# Altium PCB PROC054D_MMWCAS_RF_EVM_ASCII.PcbDoc (part 4 of 13)
Units mil, origin at the board's own origin, x right, y up, seen from the top; angles counter-clockwise.
Board outline 6299.21 x 5370.07 mil, 8 copper layers (L1 TOP, L2 GND, L3 SIGNAL 1, L4 GND, L5 SIGNAL 2, L6 SIGNAL 3, L7 GND, L8 BOTTOM), stack 53.5 mil thick; 775 components, 552 nets, 2648 pads, 7845 vias.
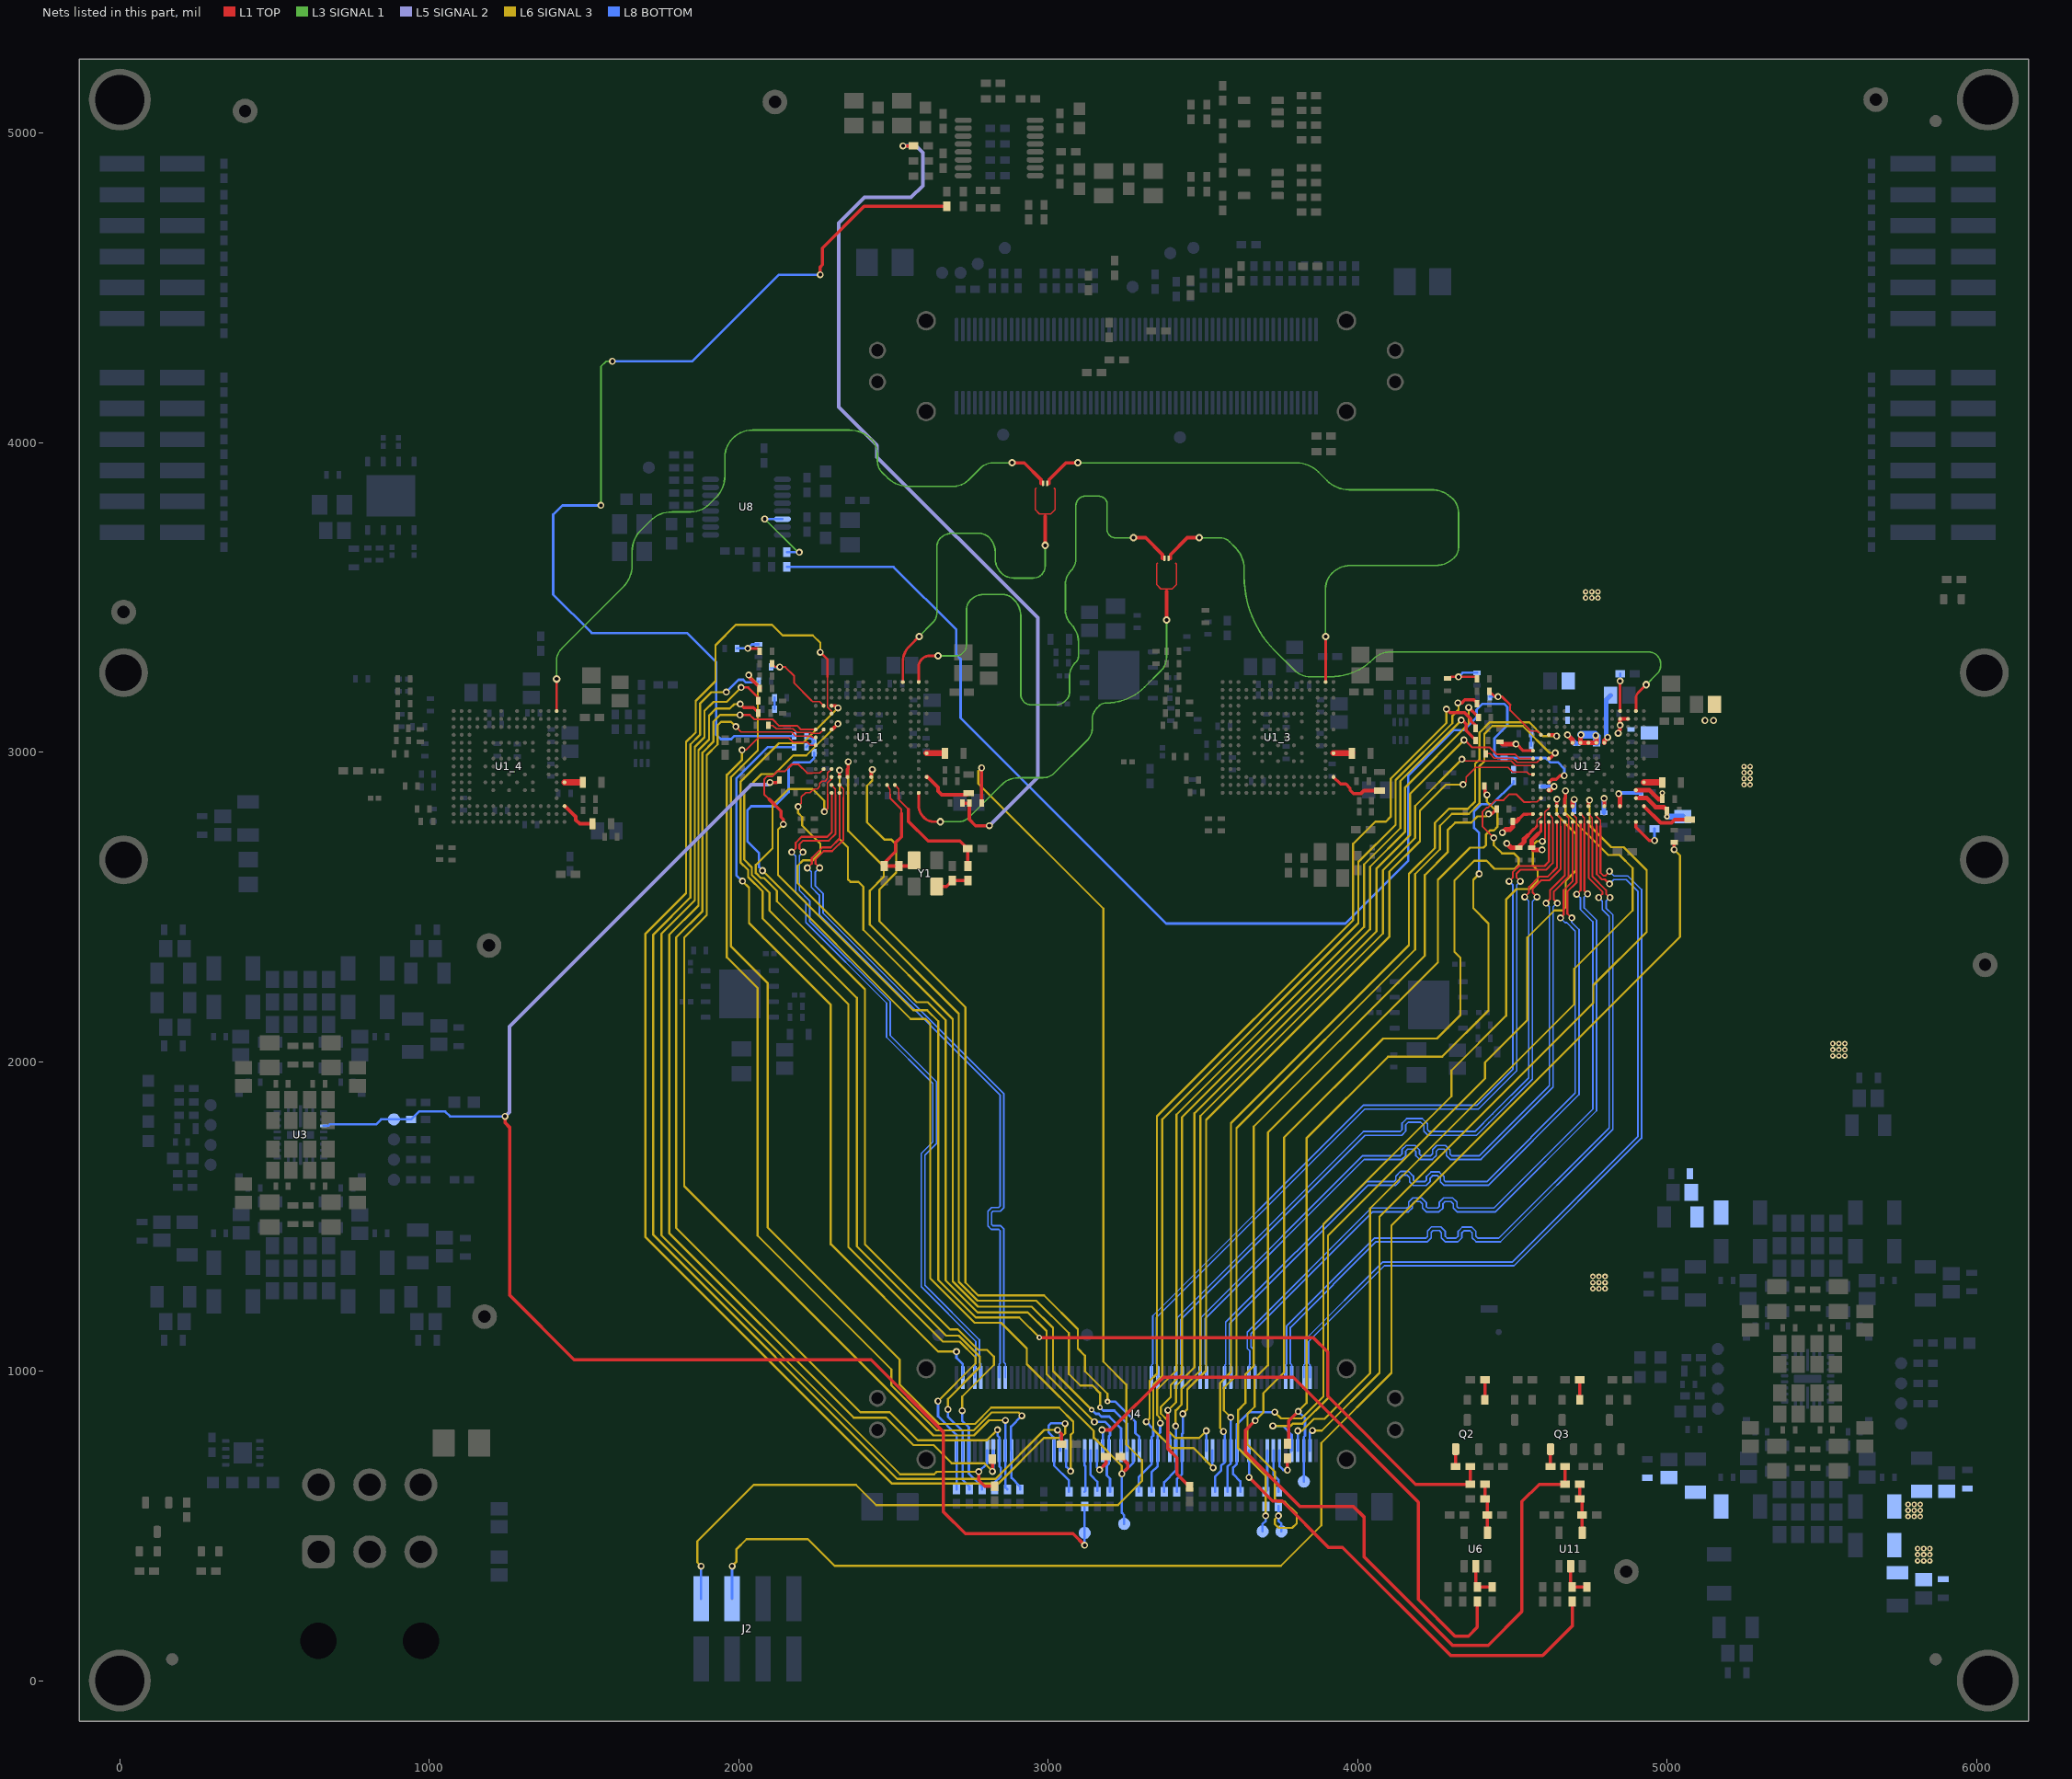
[diagram p10: the nets of this part, all layers, seen from the top]

## Via types
v1: diameter 15.74, hole 5.9, L1 TOP to L2 GND, tented both sides, 5522 vias
v2: diameter 22.4, hole 12.2, L1 TOP to L8 BOTTOM, tented both sides, 1522 vias
v3: diameter 18, hole 8, L1 TOP to L8 BOTTOM, tented both sides, 727 vias
v4: diameter 18, hole 7.87, L1 TOP to L8 BOTTOM, tented top, 50 vias
v5: diameter 24, hole 12, L1 TOP to L8 BOTTOM, tented both sides, 13 vias
v6: diameter 19.68, hole 7.87, L1 TOP to L8 BOTTOM, tented top, 10 vias
v7: diameter 15.74, hole 5.9, L1 TOP to L2 GND, tented top, 1 vias

## Nets (pads, with @x,y where several pads share a name; then routed paths per layer and width w, separated by ;. In a path a pad name is that pad's centre, name@x,y a point inside that pad or via, vN(x,y) a via of type N, cw(c..) or ccw(c..) an arc to the next point about the centre after c; other vN are vias at no path point) (continued)
AWR_1_FMCW_CLKOUT: R136.1 R136.2 U1_1.B1 U1_1.B15 U1_2.B1 | length 5817.5
  L1 TOP w5.08: 3353.17,3610.43 3350.56,3607.82 3350.56,3541.35 3364.37,3527.54 3382.46,3527.54 3382.46,3519.25 ; 3382.48,3527.56 3400.57,3527.56 3414.38,3541.37 3414.38,3607.84 3411.77,3610.45
  L1 TOP w8.4: U1_1.B15@2581.44,2868.36 2581.43,2828.39 ccw(c2635.68,2828.39) 2597.32,2790.03 2600.15,2787.2 ccw(c2629.12,2816.17) 2629.12,2775.2 v5(2651.3,2775.2) ; U1_1.B1@2581.44,3226.63 2581.43,3275.9 cw(c2616.53,3275.9) 2616.53,3311 v5(2644,3311) ; U1_2.B1@4899.44,3132.63 4899.43,3174.07 cw(c4924.44,3174.06) 4906.76,3191.75 v5(4933,3218)
  L1 TOP w11.26: v5(3276.3,3692.56) 3315.28,3692.56 3369.47,3638.37 3369.47,3626.25 ; v5(3382.46,3426.29) 3382.46,3519.25 ; 3395.45,3626.25 3395.45,3638.37 3449.62,3692.54 v5(3488.62,3692.54)
  L3 SIGNAL 1 w5: v5(2644,3311) 2704.19,3311 ccw(c2704.19,3337) 2722.57,3318.62 2725.29,3321.34 ccw(c2698.54,3348.09) 2736.38,3348.09 2736.38,3461.86 ; v5(2651.3,2775.2) 2710.97,2775.2 ccw(c2710.96,2821.62) 2743.79,2788.8 2849.7,2894.71 cw(c2903.65,2840.76) 2903.65,2917.06 2984.15,2917.06 ccw(c2984.15,2965.89) 3018.68,2931.36 3127.37,3040.05 ccw(c3090.91,3076.51) 3142.47,3076.51 3142.47,3105.45 cw(c3194.85,3105.45) 3157.8,3142.48 3164.16,3148.83 cw(c3188.71,3124.28) 3188.71,3159 ccw(c3188.71,3332.22) 3311.19,3209.74 3363.93,3262.47 ccw(c3319.18,3307.21) 3382.46,3307.21 v5(3382.46,3426.29) ; 2736.38,3462.57 cw(c2775.58,3461.86) 2747.86,3489.58 2750.81,3492.53 cw(c2791.26,3452.08) 2791.26,3509.28 2852.74,3509.28 cw(c2852.74,3462.35) 2885.93,3495.54 2890.2,3491.26 cw(c2839.11,3440.18) 2911.36,3440.18 2911.36,3187.1 ccw(c2946.31,3187.1) 2921.6,3162.39 ccw(c2944.46,3185.25) 2944.46,3152.92 3025.78,3152.92 ccw(c3025.78,3192.93) 3054.07,3164.64 3060.5,3171.07 ccw(c3039.54,3192.03) 3069.18,3192.03 3069.18,3245.78 cw(c3128.25,3245.78) 3086.48,3287.55 3090.49,3291.56 ccw(c3072.66,3309.38) 3097.88,3309.38 3097.88,3355.08 ccw(c3014.55,3355.08) 3073.47,3414 cw(c3116.89,3457.42) 3055.49,3457.42 3055.49,3542.68 cw(c3114.99,3542.68) 3072.91,3584.76 ccw(c3032.71,3624.96) 3089.57,3624.96 3089.57,3795.47 cw(c3122.17,3795.47) 3099.11,3818.53 cw(c3119.67,3797.97) 3119.67,3827.04 3162.01,3827.04 cw(c3162.01,3796.65) 3183.5,3818.14 cw(c3166.34,3800.98) 3190.61,3800.98 3190.61,3716.26 ccw(c3210.46,3716.26) 3196.42,3702.23 3198.89,3699.75 ccw(c3216.26,3717.12) 3216.26,3692.56 v5(3276.3,3692.56) ; v5(3488.62,3692.54) 3554.81,3692.54 cw(c3554.81,3648.07) 3586.25,3679.53 ; 3586.25,3679.52 3605.04,3660.73 cw(c3536.37,3592.07) 3633.48,3592.07 3633.48,3567.36 ccw(c3973.24,3567.36) 3732.99,3327.12 3794.92,3265.19 ; 3794.93,3265.18 ccw(c3847.65,3317.92) 3847.65,3243.35 3911.53,3243.35 ccw(c3911.53,3440.85) 4051.19,3301.19 cw(c4105.11,3247.27) 4105.11,3323.53 4940.44,3323.53 cw(c4940.44,3284.01) 4968.38,3311.96 cw(c4942.16,3285.74) 4979.24,3285.74 4979.24,3279.71 cw(c4941.91,3279.71) 4968.31,3253.31 v5(4933,3218)
AWR_1_FMCW_SYNCOUT: R140.1 R140.2 U1_1.D1 U1_3.B1 U1_4.B1 | length 6029
  L1 TOP w5.08: 2960.81,3852.44 2958.2,3849.83 2958.2,3783.36 2972.01,3769.55 2990.1,3769.55 ; 2990.1,3761.26 2990.1,3769.55 ; 3019.41,3852.46 3022.02,3849.85 3022.02,3783.38 3008.21,3769.57 2990.12,3769.57
  L1 TOP w8.4: U1_4.B1@1411.44,3132.63 v5(1411.43,3236) ; U1_1.D1@2530.26,3226.63 2530.25,3291 cw(c2603.3,3290.99) 2551.65,3342.65 v5(2583,3374.01) ; U1_3.B1@3896.44,3226.63 v5(3896.43,3374)
  L1 TOP w11.26: v5(2883.94,3934.57) 2922.92,3934.57 2977.11,3880.38 2977.11,3868.26 ; v5(2990.1,3668.3) 2990.1,3761.26 ; 3003.09,3868.26 3003.09,3880.38 3057.26,3934.55 v5(3096.26,3934.55)
  L3 SIGNAL 1 w5: v5(1411.43,3236) 1411.43,3296.01 cw(c1465.58,3296.01) 1427.29,3334.3 1550.53,3457.53 1626.31,3533.31 ccw(c1555.6,3604.02) 1655.6,3604.02 1655.6,3648.17 cw(c1753.2,3648.17) 1684.18,3717.19 1714.06,3747.06 cw(c1784.51,3676.62) 1784.51,3776.24 1845.64,3776.24 ccw(c1845.64,3858.84) 1904.04,3800.44 1925.98,3822.38 ccw(c1855.27,3893.09) 1955.27,3893.09 1955.27,3953.24 cw(c2040.87,3953.24) 1980.34,4013.77 cw(c2044.92,3949.19) 2044.92,4040.51 2357.58,4040.51 cw(c2357.58,3940.51) 2428.29,4011.22 cw(c2381.08,3964.02) 2447.84,3964.02 2447.84,3941.83 ccw(c2502.6,3941.83) 2463.83,3903.17 ccw(c2502.6,3941.83) 2463.88,3903.11 2481.11,3885.88 ccw(c2546,3950.75) 2546,3859 2694.74,3859 ccw(c2694.74,3924.81) 2741.28,3878.28 2780,3917 cw(c2822.42,3874.58) 2822.42,3934.57 v5(2883.94,3934.57) ; v5(2583,3374.01) 2625.86,3416.89 ccw(c2590.18,3452.57) 2640.63,3452.57 2640.63,3665.31 cw(c2677.41,3665.31) 2651.4,3691.32 cw(c2688.3,3654.42) 2688.3,3706.6 2777.61,3706.6 cw(c2777.61,3662.2) 2809,3693.6 cw(c2760.7,3645.31) 2829,3645.31 2829,3624.87 ccw(c2893.87,3624.87) 2848,3579 ccw(c2889.04,3620.04) 2889.04,3562 2951.13,3562 ccw(c2951.13,3600.97) 2990.1,3600.97 v5(2990.1,3668.3) ; v5(3096.26,3934.55) 3802.12,3934.55 cw(c3802.12,3834.55) 3872.83,3905.26 3901.12,3876.97 ccw(c3971.83,3947.68) 3971.83,3847.68 4236.99,3847.68 cw(c4236.99,3747.68) 4307.7,3818.39 cw(c4262.21,3772.91) 4326.54,3772.91 4326.54,3661.8 cw(c4279.32,3661.8) 4312.71,3628.42 cw(c4251.34,3689.78) 4251.34,3603 3977.36,3603 ccw(c3977.36,3517.63) 3917,3578 ccw(c3966.66,3528.34) 3896.43,3528.34 v5(3896.43,3374)
AWR_1_GPIO_0: J4.61 R16_1.2 U1_1.N4 | length 3146
  L1 TOP w10.5: U1_1.N4@2299.94,3149.86 2313.82,3149.86 v2(2320.99,3142.69)
  L6 SIGNAL 3 w6.9: v2(2320.99,3142.69) 2206.68,3028.38 2129.84,3028.38 2005.54,2904.08 2005.54,2643.9 2030.3,2619.15 2030.3,2596.61 2077.11,2549.8 2077.11,2462.65 2354.47,2185.3 2354.47,1400.45 2659.46,1095.46 2713.71,1095.46 2765.43,1043.74 2765.43,1024.43 v2(2644,903)
  L8 BOTTOM w7.75: v2(2644,903) 2644,854.04 2704.21,793.83 J4.61@2704.21,743.02 R16_1.2@2704.21,618.14
AWR_1_GPIO_1: J4.62 R17_1.2 U1_1.N7 | length 3088
  L1 TOP w10.5: U1_1.N7@2299.94,3073.09 2302.38,3073.09 v2(2320.69,3091.4)
  L6 SIGNAL 3 w6.9: v2(2320.69,3091.4) 2218.38,2989.09 2175.87,2989.09 2115.99,2929.21 2073.89,2929.21 2017.73,2873.05 2017.73,2652.48 2042.53,2627.68 2042.53,2602.57 2099.55,2545.55 2099.55,2487.96 2381.78,2205.72 2381.78,1402.96 2669.85,1114.9 2711.1,1114.9 2779.58,1046.41 2779.58,1013.56 2676,909.98 v2(2676,876)
  L8 BOTTOM w7.75: v2(2676,876) 2676,852.79 2723.9,804.89 J4.62@2723.89,743.02 2723.89,648.2 2745.21,626.89 R17_1.2@2745.21,618.14
AWR_1_GPIO_2: J4.63 R18_1.2 U1_1.N13 | length 3020.1
  L1 TOP w4: 2287.44,2863 2287.44,2900.5 2299.94,2913 U1_1.N13@2299.94,2919.55
  L1 TOP w6: v2(2276.5,2807.5) 2287.44,2818.44 2287.44,2863
  L6 SIGNAL 3 w6.9: v2(2276.5,2807.5) 2276.5,2842.88 2238.36,2881.02 2161.05,2881.02 2109.03,2829 2109.03,2689.03 2055.37,2635.37 2055.37,2609.24 2071.26,2593.35 2081.78,2593.35 2123.28,2551.85 2123.28,2518.25 2408.08,2233.45 2408.08,1409.53 2682.89,1134.72 2708.1,1134.72 2774.02,1068.81 2802.25,1068.81 2824.47,1046.59 2824.47,1020 2722,917.53 v2(2722,872)
  L8 BOTTOM w7.75: v2(2722,872) 2722,839.99 2743.58,818.41 J4.63@2743.58,743.02 2743.58,669.11 2786.21,626.49 R18_1.2@2786.21,618.14
AWR_1_LVDS_FRCLK_N: J4.9 U1_1.M14 | length 2300.3
  L1 TOP w4: U1_1.M14@2325.53,2893.95 2338.12,2881.37 2338.12,2853
  L1 TOP w6.5: v2@2261.62,2626 2248,2639.62 2248,2653 2275,2680 2301.98,2680 2338.12,2716.14 2338.12,2853
  L8 BOTTOM w5.25: v2(2261.62,2625.88) 2247,2611.26 2247,2568.35 2272.44,2542.91 2272.44,2480.15 2857,1895.59 2857,1528.59 2844.99,1516.58 2821.67,1516.58 2817.09,1512 2817.09,1474.07 2821.13,1470.04 2845.36,1470.04 2857,1458.39 2857,1028.26 2861.69,1023.57 J4.9@2861.69,979.12
AWR_1_LVDS_FRCLK_P: J4.8 U1_1.M15 | length 2268.5
  L1 TOP w6.5: v2@2222,2626 2236,2640 2236,2657.98 2270.02,2692 2297,2692 2326.12,2721.12 2326.12,2867.78 U1_1.M15@2325.53,2868.36
  L8 BOTTOM w5.25: v2(2222,2625.88) 2235,2612.88 2235,2563.38 2260.44,2537.94 2260.44,2475.18 2845,1890.62 2845,1533.56 2840.02,1528.58 2816.7,1528.58 2805.09,1516.97 2805.09,1469.1 2816.16,1458.04 2840.38,1458.04 2845,1453.42 2845,1026.56 2842.01,1023.57 J4.8@2842.01,979.12
AWR_1_LVDS_VALID_N: J4.5 U1_1.N14 | length 2300.5
  L1 TOP w4: U1_1.N14@2299.94,2893.95 2312.53,2881.37 2312.53,2861.89
  L1 TOP w6.5: v2@2207.7,2676.7 2196,2688.4 2196,2702.02 2207.98,2714 2290.98,2714 2312.53,2735.55 2312.53,2861.89
  L8 BOTTOM w5.25: v2(2207.7,2676.58) 2196,2664.88 2196,2553.12 2229.15,2519.97 2229.15,2454.53 2489.66,2194.02 2489.66,2084.1 2620.46,1953.3 2638.86,1934.91 2638.86,1735.37 2601.64,1698.16 2601.64,1277.39 2778,1101.03 2778,1028.52 2782.95,1023.57 J4.5@2782.95,979.12
AWR_1_LVDS_VALID_P: J4.4 U1_1.N15 | length 2269.8
  L1 TOP w6.5: v2@2171.3,2676.7 2184,2689.4 2184,2707 2203,2726 2286,2726 2300.53,2740.53 2300.53,2867.78 U1_1.N15@2299.94,2868.36
  L8 BOTTOM w5.25: v2(2171.3,2676.58) 2184,2663.88 2184,2548.15 2217.15,2515 2217.15,2449.56 2477.66,2189.05 2477.66,2079.13 2617,1939.79 2626.86,1929.93 2626.86,1740.34 2589.64,1703.13 2589.64,1272.42 2766,1096.06 2766,1026.3 2763.27,1023.57 J4.4@2763.27,979.12
AWR_1_MCU_CLKOUT: R5_1.1 R213.1 R214.1 | length 65.1
  L8 BOTTOM w7.75: R214.1@2218.59,3016.15 2226.7,3024.26 2233.8,3024.26 R5_1.1@2243.7,3034.15 2233.8,3044.05 2226.7,3044.05 R213.1@2218.59,3052.15
AWR_1_MCU_CLKOUT_CONN: J4.2 R214.2 | length 2501.1
  L6 SIGNAL 3 w6.9: v2(2012,2583) 2033.22,2561.78 2033.22,2447.41 2297.56,2183.06 2297.56,1410.04 2644.66,1062.95 v2(2703.52,1062.95)
  L8 BOTTOM w7.75: v2(2012,2583) 1992.47,2602.53 1992.47,2914.75 2093.87,3016.15 R214.2@2178.59,3016.15 ; v2(2703.52,1062.95) 2703.52,1042.87 2723.89,1022.5 J4.2@2723.89,979.24
AWR_1_MCU_CLKOUT_RS: R122.1 R213.2 | length 3365.5
  L1 TOP w10.5: v2(2263.58,4542.68) 2263.58,4567.65 2270.37,4574.44 2270.37,4628.78 2404.97,4763.38 R122.1@2672.94,4763.38
  L3 SIGNAL 1 w5.1: v2(1554.77,3796.99) 1554.77,4246.17 1571.52,4262.92 v2(1591.76,4262.92)
  L8 BOTTOM w7.75: v2(1554.77,3796.99) 1429.98,3796.99 1400.42,3767.43 1400.42,3509.26 1524.66,3385.02 1833.18,3385.02 1926.93,3291.27 1926.93,3057.59 1942.39,3042.12 1976.11,3042.12 1986.15,3052.15 R213.2@2178.59,3052.15 ; v2(1591.76,4262.92) 1849.87,4262.92 2129.63,4542.68 v2(2263.58,4542.68)
AWR_1_MSS_LOGGER: J4.79 R15_1.1 | length 3514.5
  L1 TOP w10.5: v2(2032,3249) 2032,3244.1 R15_1.1@2070.1,3206
  L6 SIGNAL 3 w6.9: v2(2032,3249) 2061.39,3219.61 2061.39,3005.5 1975.14,2919.25 1975.14,2372.08 2093.09,2254.13 2093.09,1464.39 2519.99,1037.5 2519.99,957 2647.52,829.47 2763.54,829.47 2815.87,881.79 3035.71,881.79 3081,836.51 3081,802 3072.5,793.5 v2(3072.5,676.5)
  L8 BOTTOM w7.75: J4.79@3058.54,743.02 3058.54,690.46 v2(3072.5,676.5)
AWR_1_NERROR_IN: R177_1.1 U1_1.P7 | length 193.7
  L1 TOP w4: R177_1.1@2096.4,3086 2110.36,3086 2121.56,3074.8 2175.25,3074.8 2187.05,3063 2233,3063 2235.5,3060.5 2261.76,3060.5 U1_1.P7@2274.35,3073.09
AWR_1_NERROR_OUT: R9_1.1 R154.1 | length 36.9
  L8 BOTTOM w7.75: R154.1@2115.9,3139.1 R9_1.1@2115.9,3176
AWR_1_NRST: R198.2 R208.2 U1_1.P12 | length 4253.1
  L1 TOP w4: 2236.32,2932.64 2261.85,2932.64 U1_1.P12@2274.35,2945.13
  L1 TOP w6: 2098.54,2847.45 2082.43,2863.57 2082.43,2912.6 2091.03,2921.2 2108.4,2921.2 2125.4,2938.2 2149.5,2938.2 2171.5,2960.2 2193.65,2960.2 2221.21,2932.64 2236.32,2932.64
  L1 TOP w10.5: 2098.54,2847.45 2136.63,2809.37 2136.63,2789.84 2144,2782.48 v2@2144,2767 ; v3(2971.57,1108.47) 3856.77,1108.47 3903.44,1061.79 3903.44,918.78 4187.82,634.4 R208.2@4364.23,634.4 R198.2@4364.23,691.84
  L6 SIGNAL 3 w6.9: v2@2144,2767 2127.25,2750.25 2127.25,2603.08 2564.65,2165.68 2609.07,2165.68 2644.67,2130.07 2644.67,1294.83 2766.03,1173.47 2906.57,1173.47 v3(2971.57,1108.47)
  other v2: 2144,2766.88
AWR_1_NRST_HOST: J4.85 R191.1 | length 1977.4
  L1 TOP w10.5: v2(3174,810) 3202.16,810 3372.79,980.63 3791.9,980.63 4195.89,576.63 4195.89,262.42 4314.62,143.69 4358.07,143.69 4386.99,172.61 R191.1@4386.99,255.59
  L8 BOTTOM w7.75: v2(3174,810) 3176.65,807.35 J4.85@3176.65,743.02
AWR_1_NRST_HOST_GS: R86.1 R191.2 U6.2 | length 116.2
  L1 TOP w10.5: U6.2@4381.99,369.58 4381.99,307.83 R191.2@4386.99,302.83 R86.1@4434.39,302.83
AWR_1_NRST_LED: Q2.1 R198.1 | length 56.1
  L1 TOP w10.5: R198.1@4316.98,691.84 Q2.1@4316.98,747.96
AWR_1_NRST_LED_PW: DS4.1 R196.1 | length 65
  L1 TOP w10.5: DS4.1@4411.47,906.78 R196.1@4411.47,971.8
AWR_1_NRST_RS: C205.1 R206.1 R208.1 U6.4 | length 156.5
  L1 TOP w10.5: R206.1@4411.47,587.15 R208.1@4411.47,634.4 ; U6.4@4419.39,477.85 C205.1@4419.39,535.63 R206.1@4419.39,587.15
AWR_1_OSC_CLKOUT: R2_1.1 R107.1 R186.1 | length 2961.4
  L1 TOP w10.5: v2(2531.11,4958.61) R107.1@2564.74,4958.61 ; R2_1.1@2722.88,2834.89 R186.1@2745.21,2834.89 2745.21,2782.79 2765.74,2762.25 v2(2809.92,2762.25)
  L5 SIGNAL 2 w12: v2(2531.11,4958.61) 2573.38,4958.61 2595.11,4936.89 2595.11,4830.2 2557.04,4792.13 2405.94,4792.13 2322.67,4708.86 2322.67,4114.56 2446.36,3990.87 2446.36,3953.28 2965.94,3433.7 2965.94,2918.27 v2(2809.92,2762.25)
AWR_1_OSC_CLKOUT_CONN: J2.1 R186.2 | length 4404.4
  L1 TOP w10.5: R186.2@2785.21,2834.89 v2(2785.21,2949.21)
  L6 SIGNAL 3 w6.9: v2(1878.45,369.78) 1866.25,381.98 1866.25,450.42 2048.13,632.3 2379.06,632.3 2444.1,567.26 3225.52,567.26 3303.08,644.83 3303.08,712.68 3252.76,763.01 3252.76,956.02 3178.36,1030.42 3178.36,2494.31 2774.39,2898.28 2774.39,2938.39 v2(2785.21,2949.21)
  L8 BOTTOM w7.75: J2.1@1878.45,264.5 v2(1878.45,369.78)
AWR_1_PMIC_CLKOUT: R4_1.1 R57.2 R149.1 TP2_1.1 TP5.1 U3.3 | length 5164.6
  L1 TOP w10.5: v2(1244.72,1823.21) 1244.72,1802.6 1259.36,1787.95 1259.36,1245.65 1468.47,1036.54 2428.05,1036.54 2661.86,802.73 2661.86,544.73 2732.05,474.55 3080.57,474.55 v2(3118,437.12) ; v2(2101,2902) 2123,2902 R4_1.1@2131,2910
  L5 SIGNAL 2 w12: v2(1244.72,1823.21) 1258.61,1837.11 1258.61,2113.21 2040.11,2894.71 2093.71,2894.71 v2(2101,2902)
  L8 BOTTOM w7.75: U3.3@658.34,1792.49 673.8,1792.49 679.09,1797.78 829.21,1797.78 844.68,1813.25 TP2_1.1@885.78,1813.25 R57.2@941.03,1813.25 966.64,1838.86 1051.49,1838.86 1067.14,1823.21 v2(1244.72,1823.21) ; v2(3118,437.12) TP5.1@3118,477.19 R149.1@3118,563.18
AWR_1_SCL: R98.2 R180_1.1 U1_1.P4 | length 265
  L1 TOP w4: 2233.92,3168.08 2239.25,3162.75 2261.46,3162.75 U1_1.P4@2274.35,3149.86
  L1 TOP w6: R180_1.1@2108,3286 2118.94,3275.06 v2(2132.81,3275.06) 2150.37,3275.06 2178.33,3247.09 2178.33,3223.67 2233.92,3168.08
  L8 BOTTOM w7.75: R98.2@2104.31,3275.06 v2(2132.81,3275.06)
AWR_1_SDA: R13_1.1 R99.2 R181_1.1 | length 119.4
  L1 TOP w8: v2(2029,3334.9) 2061.3,3334.9 R13_1.1@2070.2,3326
  L8 BOTTOM w7.75: R99.2@1994.65,3335.1 v2@2028.8,3335.1 ; v2(2029,3334.9) 2042.33,3348.23 R181_1.1@2063.84,3348.23
AWR_1_SOP0_TDO: J4.84 R147.2 | length 117.3
  L1 TOP w10.5: v2(3166,681) 3186.66,701.66 R147.2@3186.66,724
  L8 BOTTOM w7.75: J4.84@3156.97,743.02 3156.97,690.03 v2(3166,681)
AWR_1_SOP1_SYNCOUT: J4.83 R148.2 | length 138.6
  L8 BOTTOM w7.75: J4.83@3137.28,743.02 3137.28,664.54 3159,642.82 R148.2@3159,613.42
AWR_1_SOP2_PMICCLKOUT: J4.82 R149.2 | length 135.1
  L8 BOTTOM w7.75: J4.82@3117.6,743.02 3117.6,695.4 3120.76,692.24 3120.76,613.18 R149.2@3118,610.42
AWR_1_SPI_CLK1: J4.70 R182_1.2 U1_1.R9 | length 3331.2
  L1 TOP w4: v2(2010.75,3006.5) 2024.16,3006.5 2062.67,3045 2162.6,3045 2175.85,3031.75 2222,3031.75 2231.84,3021.91 U1_1.R9@2248.76,3021.91
  L6 SIGNAL 3 w6.9: v2(2010.75,3006.5) 2010.75,2975.48 1961.65,2926.38 1961.65,2337.19 2060.68,2238.16 2060.68,1438.1 2493.52,1005.26 2493.52,954.01 2639.1,808.43 2759.33,808.43 2817.34,866.44 2904.56,866.44 v2(2915,856)
  L8 BOTTOM w7.75: R182_1.2@2909.21,618.14 2909.21,627.45 2881.38,655.28 J4.70@2881.38,743.02 2880,744.4 2880,821 v2(2915,856)
AWR_1_SPI_CS1: J4.68 R175_1.1 U1_1.R7 | length 3586
  L1 TOP w6: v2(2004,3120) 2036,3120 2050,3106 2110,3106 2131.2,3084.8 2189.66,3084.8 2201.37,3073.09 U1_1.R7@2248.76,3073.09
  L6 SIGNAL 3 w6.9: v2(2004,3120) 1939.87,3120 1917.87,3097.99 1917.87,3033.07 1882.97,2998.17 1882.97,2486.36 1798.07,2401.46 1798.07,1462.14 2393.03,867.19 2487.79,867.19 2578.6,776.38 2801.98,776.38 v2(2836,810.4)
  L8 BOTTOM w7.75: R175_1.1@2827.21,618.14 2827.21,640.59 2847,660.38 2847,686.99 2842.01,691.98 2842.01,785.93 2836,791.94 v2(2836,810.4)
AWR_1_SPI_HOST_INTR1: J4.67 R10_1.2 R184_1.2 | length 3385.6
  L1 TOP w10.5: v2(2005,3155) 2016,3144 2047.2,3144 R10_1.2@2065.2,3126 ; v2(2820,676) R184_1.2@2820,716
  L6 SIGNAL 3 w6.9: v2(2005,3155) 1985.7,3155 1971.21,3140.51 1926.36,3140.51 1903.86,3118.01 1903.86,3040.9 1869.66,3006.7 1869.66,2504 1775.17,2409.5 1775.17,1446.31 2371.76,849.72 2475.56,849.72 2564.43,760.85 2629.95,760.85 2688.16,702.64 2793.36,702.64 v2(2820,676)
  L8 BOTTOM w7.75: v2(2820,676) 2822.32,678.32 J4.67@2822.32,743.02
AWR_1_SPI_MISO1: J4.66 R12_1.2 R176_1.1 | length 3497.3
  L1 TOP w8: v2(2008,3209) 2031.01,3209 2065.2,3174.81 R12_1.2@2065.2,3166
  L1 TOP w10.5: v2(2775.58,675) 2775.58,647.72 2795.15,628.14 R176_1.1@2827.21,628.14
  L6 SIGNAL 3 w6.9: v2(2008,3209) 1961.35,3162.35 1918.68,3162.35 1889.42,3133.09 1889.42,3048.28 1857.76,3016.62 1857.76,2520.86 1750,2413.11 1750,1438.6 2521.78,666.83 2631.69,666.83 2639.86,675 v2(2775.58,675)
  L8 BOTTOM w7.75: v2(2775.58,675) 2802.64,702.06 J4.66@2802.64,743.02
AWR_1_SPI_MOSI1: J4.69 R183_1.2 U1_1.R8 | length 3493.9
  L1 TOP w4: v2(1990.38,3082.65) 2008.03,3065 2170.9,3065 2184.15,3051.75 2235.25,3051.75 2239.5,3047.5 U1_1.R8@2248.76,3047.5
  L6 SIGNAL 3 w6.9: v2(1990.38,3082.65) 1975.19,3097.84 1942.65,3097.84 1931.27,3086.47 1931.27,3024.65 1896.53,2989.91 1896.53,2473.77 1823.68,2400.92 1823.68,1597.68 2629.29,792.07 2760.43,792.07 2809.37,841 v2(2861.69,841)
  L8 BOTTOM w7.75: v2(2861.69,841) 2861.69,624.66 R183_1.2@2868.21,618.14
AWR_1_TCK: J4.88 U1_1.M13 | length 2734.1
  L1 TOP w10.5: U1_1.M13@2325.53,2919.55 2325.53,2938.23 v2(2326.04,2941.5)
  L6 SIGNAL 3 w6.9: v2(2326.04,2941.5) 2326.04,2718.86 2353,2691.9 2353,2588.99 2360.97,2581.02 2386.28,2581.02 2402.72,2564.59 2402.72,2426.29 2691.69,2137.31 2691.69,1289.83 2773.23,1208.3 2946.77,1208.3 3015.6,1139.47 3015.6,1000.11 v3(3140.71,875)
  L8 BOTTOM w7.75: v3(3140.71,875) 3153.77,861.94 3162.93,861.94 3171.89,852.98 3197.5,852.98 3235.71,814.76 J4.88@3235.71,743.02
AWR_1_TDI: J4.91 U1_1.H13 | length 2795.3
  L1 TOP w10.5: U1_1.H13@2427.89,2919.55 2427.89,2935.79 2431.6,2939.5 v2(2431.6,2943.69)
  L6 SIGNAL 3 w6.9: v2(2431.6,2943.69) 2431.6,2908.18 2414.79,2891.37 2414.79,2773.28 2470.38,2717.69 2492.57,2717.69 2508.84,2701.42 2508.84,2610.74 2454.43,2556.33 2454.43,2453.41 2732.36,2175.48 2732.36,1285.96 2773.63,1244.69 2986.54,1244.69 3095.74,1135.49 3095.74,1072.9 3118.99,1049.65 3118.99,999.3 3191.74,926.55 v3(3191.74,901.78)
  L8 BOTTOM w7.75: v3(3191.74,901.78) 3216.8,901.78 3281.78,836.79 3281.78,800.1 3294.76,787.12 J4.91@3294.76,743.02
AWR_1_TDO: J4.90 R8_1.2 R147.1 TP3_1.1 | length 3401.8
  L1 TOP w10.5: R147.1@3233.9,724 3256.54,701.36 3256.54,686.54 v2(3238,668)
  L6 SIGNAL 3 w6.9: v2(2077,2617) 2555.97,2138.03 2603.85,2138.03 2618.88,2122.99 2618.88,1299.48 2762.31,1156.05 2848.1,1156.05 2930.95,1073.21 2930.95,1022.72 3147.52,806.15 3147.52,784.36 3238,693.88 v2(3238,668)
  L8 BOTTOM w7.75: v2(2077,2617) 2065.5,2628.5 2065.5,2673.69 2027.71,2711.48 2027.71,2812.25 2040.5,2825.05 2115.48,2825.05 2161.12,2870.69 2161.12,2949.66 2178.63,2967.17 2230.52,2967.17 2243.7,2980.35 R8_1.2@2243.7,2998.15 ; TP3_1.1@3245.73,506.43 3245.73,534.08 3238,541.81 v2(3238,668) 3275.08,705.08 J4.90@3275.08,743.02
AWR_1_TMS: J4.89 U1_1.L13 | length 2842.4
  L1 TOP w10.5: U1_1.L13@2351.12,2919.55 2351.12,2944.22 2353.94,2947.04 v2(2353.94,2968.94)
  L6 SIGNAL 3 w6.9: v2(2353.94,2968.94) 2353.94,2745.44 2469.02,2630.36 2469.02,2597.45 2423.84,2552.27 2423.84,2442.16 2711.08,2154.92 2711.08,1288.54 2771.91,1227.71 2961.66,1227.71 3066.82,1122.54 3066.82,990.45 3103.78,953.49 3143.41,953.49 3167.61,929.29 v3(3167.61,882.86)
  L8 BOTTOM w7.75: v3(3167.61,882.86) 3178.17,872.3 3213.58,872.3 3255.39,830.49 J4.89@3255.39,743.02
AWR_1_UART_RX: J4.77 R179_1.1 U1_1.N5 | length 4724
  L1 TOP w4: 2287,3243.55 2287,3144.9 2299.94,3131.96 U1_1.N5@2299.94,3124.27
  L1 TOP w8: v2(2263.49,3322.67) 2287,3299.15 2287,3243.55